# KiCad board GanJing 65 rev 2 solder-rounded.kicad_pcb (continued)
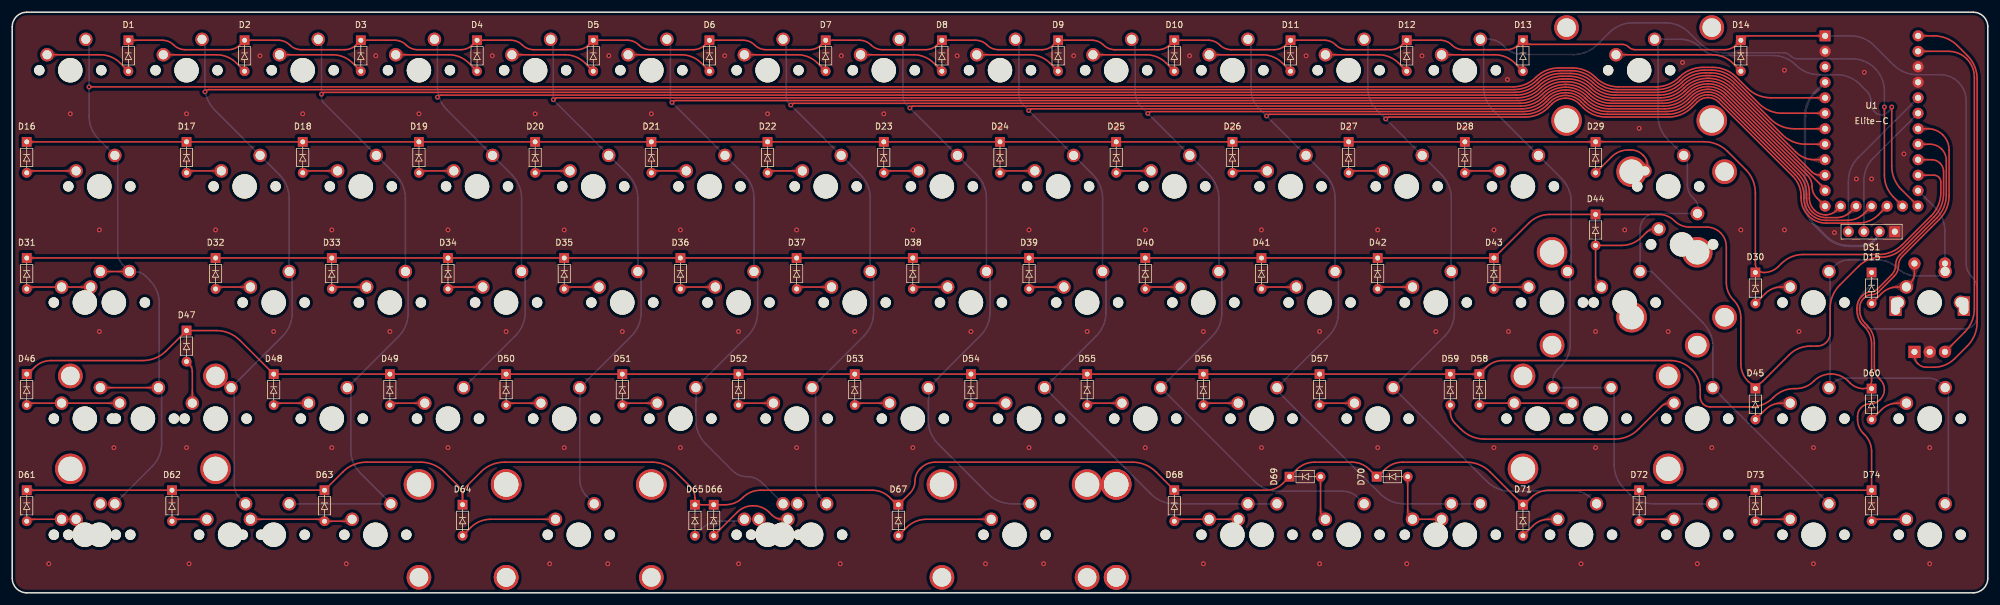
[diagram p0: board, top side]
## Copper pours and planes (outline as drawn; the poured copper is in the pictures) (continued)
col_14 on Bottom: 269.06,52.59 268.89,52.74 268.73,52.86 268.59,52.94 268.45,53.01 268.32,53.06 268.19,53.11 268.06,53.17 267.93,53.24 267.79,53.35 267.64,53.48 266.31,52.71 267.34,51.72 267.53,51.83 267.7,51.97 267.86,52.12 268,52.27 268.14,52.41 268.28,52.52 268.41,52.59 268.56,52.6 268.71,52.54 268.88,52.41
col_14 on Bottom: 274.01,62.1 274.27,62.09 274.49,62.05 274.67,61.99 274.83,61.9 274.96,61.8 275.09,61.69 275.23,61.58 275.38,61.46 275.55,61.34 275.77,61.22 276.82,62.23 275.77,63.24 275.55,63.12 275.38,63 275.23,62.88 275.09,62.77 274.96,62.66 274.83,62.56 274.67,62.47 274.49,62.41 274.27,62.37 274.01,62.35
col_14 on Bottom: 275.81,64.3 275.93,64.13 275.99,63.96 275.99,63.82 275.94,63.67 275.86,63.54 275.76,63.4 275.63,63.26 275.5,63.11 275.38,62.94 275.27,62.76 276.24,61.67 277.12,62.95 276.97,63.13 276.85,63.29 276.76,63.43 276.67,63.55 276.5,63.81 276.41,63.94 276.3,64.09 276.16,64.27 276,64.47
col_14 on Bottom: 271.43,90.93 271.17,90.94 270.96,90.98 270.78,91.05 270.63,91.13 270.5,91.22 270.38,91.33 270.25,91.44 270.1,91.56 269.93,91.68 269.72,91.8 268.69,90.81 269.72,89.81 269.93,89.93 270.1,90.05 270.25,90.17 270.38,90.28 270.5,90.39 270.63,90.48 270.78,90.56 270.96,90.63 271.17,90.67 271.43,90.68
col_14 on Bottom: 274.72,69.73 274.74,70.01 274.76,70.25 274.81,70.45 274.86,70.62 274.91,70.78 274.97,70.94 275.02,71.11 275.06,71.29 275.09,71.5 275.1,71.75 273.7,72.22 273.43,70.82 273.6,70.72 273.76,70.64 273.91,70.57 274.04,70.5 274.17,70.42 274.27,70.34 274.36,70.23 274.42,70.1 274.46,69.93 274.47,69.73
col_15 on Bottom: 315.12,34.91 315.34,34.81 315.49,34.69 315.59,34.56 315.65,34.42 315.69,34.26 315.7,34.09 315.72,33.91 315.73,33.71 315.77,33.51 315.83,33.29 317.25,33.27 317.22,34.69 316.98,34.77 316.78,34.82 316.59,34.85 316.42,34.88 316.26,34.89 316.09,34.91 315.91,34.94 315.71,34.98 315.48,35.05 315.21,35.14
col_15 on Bottom: 316.7,56.01 316.69,55.78 316.65,55.59 316.6,55.43 316.52,55.29 316.44,55.17 316.34,55.06 316.24,54.94 316.13,54.8 316.03,54.65 315.92,54.46 316.82,53.53 317.72,54.46 317.62,54.65 317.52,54.8 317.41,54.94 317.31,55.06 317.21,55.17 317.13,55.29 317.05,55.43 317,55.59 316.96,55.78 316.95,56.01
col_15 on Bottom: 314.87,51.88 315.14,51.87 315.38,51.85 315.57,51.82 315.74,51.79 315.9,51.75 316.06,51.71 316.22,51.68 316.4,51.65 316.61,51.63 316.85,51.62 317.33,53 315.93,53.32 315.83,53.15 315.75,52.97 315.68,52.8 315.62,52.64 315.56,52.5 315.48,52.38 315.38,52.27 315.25,52.19 315.08,52.14 314.87,52.12
col_15 on Bottom: 313.77,64.79 313.63,64.95 313.53,65.09 313.47,65.23 313.42,65.36 313.4,65.49 313.39,65.62 313.37,65.76 313.36,65.92 313.32,66.08 313.27,66.27 312.1,66.29 312.12,65.12 312.31,65.07 312.47,65.03 312.63,65.02 312.77,65 312.9,64.99 313.03,64.97 313.16,64.92 313.3,64.86 313.44,64.76 313.6,64.62
col_15 on Bottom: 298.12,50.52 298.14,50.79 298.18,51.02 298.24,51.21 298.32,51.37 298.4,51.52 298.5,51.66 298.6,51.8 298.7,51.97 298.79,52.16 298.87,52.4 297.72,53.25 296.92,52.07 297.06,51.89 297.2,51.74 297.33,51.61 297.46,51.5 297.57,51.39 297.67,51.27 297.76,51.13 297.82,50.97 297.86,50.77 297.88,50.52
col_15 on Bottom: 313.77,64.79 313.63,64.95 313.53,65.09 313.47,65.23 313.42,65.36 313.4,65.49 313.39,65.62 313.37,65.76 313.36,65.92 313.32,66.08 313.27,66.27 312.1,66.29 312.12,65.12 312.31,65.07 312.47,65.03 312.63,65.02 312.77,65 312.9,64.99 313.03,64.97 313.16,64.92 313.3,64.86 313.44,64.76 313.6,64.62
col_15 on Bottom: 297.88,35.84 297.86,35.59 297.82,35.39 297.76,35.23 297.67,35.09 297.57,34.97 297.46,34.86 297.33,34.75 297.2,34.62 297.06,34.47 296.92,34.29 297.72,33.11 298.87,33.96 298.79,34.2 298.7,34.39 298.6,34.56 298.5,34.7 298.4,34.84 298.32,34.99 298.24,35.15 298.18,35.34 298.14,35.57 298.12,35.84
col_15 on Bottom: 314.87,51.88 315.14,51.87 315.38,51.85 315.57,51.82 315.74,51.79 315.9,51.75 316.06,51.71 316.22,51.68 316.4,51.65 316.61,51.63 316.85,51.62 317.33,53 315.93,53.32 315.83,53.15 315.75,52.97 315.68,52.8 315.62,52.64 315.56,52.5 315.48,52.38 315.38,52.27 315.25,52.19 315.08,52.14 314.87,52.12
col_15 on Bottom: 299.47,35.14 299.2,35.05 298.97,34.98 298.77,34.94 298.59,34.91 298.42,34.89 298.26,34.88 298.09,34.85 297.9,34.82 297.7,34.77 297.46,34.69 297.43,33.27 298.85,33.29 298.91,33.51 298.95,33.71 298.96,33.91 298.98,34.09 298.99,34.26 299.03,34.42 299.09,34.56 299.19,34.69 299.34,34.81 299.56,34.91
col_15 on Bottom: 317.52,31.59 317.54,31.88 317.57,32.12 317.62,32.32 317.68,32.5 317.75,32.67 317.81,32.83 317.87,33 317.92,33.18 317.95,33.4 317.96,33.66 316.6,34.14 316.23,32.76 316.4,32.65 316.56,32.56 316.71,32.48 316.84,32.4 316.97,32.32 317.07,32.22 317.16,32.11 317.22,31.97 317.26,31.8 317.27,31.59
col_15 on Bottom: 317.27,16.67 317.26,16.46 317.22,16.29 317.16,16.15 317.07,16.04 316.97,15.94 316.84,15.86 316.71,15.78 316.56,15.7 316.4,15.61 316.23,15.5 316.6,14.12 317.96,14.6 317.95,14.86 317.92,15.08 317.87,15.26 317.81,15.43 317.75,15.59 317.68,15.76 317.62,15.94 317.57,16.14 317.54,16.38 317.52,16.67
col_15 on Bottom: 297.88,35.84 297.86,35.59 297.82,35.39 297.76,35.23 297.67,35.09 297.57,34.97 297.46,34.86 297.33,34.75 297.2,34.62 297.06,34.47 296.92,34.29 297.72,33.11 298.87,33.96 298.79,34.2 298.7,34.39 298.6,34.56 298.5,34.7 298.4,34.84 298.32,34.99 298.24,35.15 298.18,35.34 298.14,35.57 298.12,35.84
col_15 on Bottom: 299.6,54.4 299.32,54.27 299.08,54.17 298.87,54.1 298.68,54.05 298.5,54.01 298.32,53.98 298.14,53.94 297.94,53.89 297.72,53.83 297.45,53.74 297.43,52.32 298.85,52.34 298.92,52.59 298.97,52.82 299,53.03 299.02,53.23 299.05,53.41 299.1,53.58 299.18,53.74 299.3,53.9 299.47,54.04 299.71,54.17
col_15 on Bottom: 299.6,54.4 299.32,54.27 299.08,54.17 298.87,54.1 298.68,54.05 298.5,54.01 298.32,53.98 298.14,53.94 297.94,53.89 297.72,53.83 297.45,53.74 297.43,52.32 298.85,52.34 298.92,52.59 298.97,52.82 299,53.03 299.02,53.23 299.05,53.41 299.1,53.58 299.18,53.74 299.3,53.9 299.47,54.04 299.71,54.17
col_15 on Bottom: 317.52,31.59 317.54,31.88 317.57,32.12 317.62,32.32 317.68,32.5 317.75,32.67 317.81,32.83 317.87,33 317.92,33.18 317.95,33.4 317.96,33.66 316.6,34.14 316.23,32.76 316.4,32.65 316.56,32.56 316.71,32.48 316.84,32.4 316.97,32.32 317.07,32.22 317.16,32.11 317.22,31.97 317.26,31.8 317.27,31.59
col_15 on Bottom: 299.47,35.14 299.2,35.05 298.97,34.98 298.77,34.94 298.59,34.91 298.42,34.89 298.26,34.88 298.09,34.85 297.9,34.82 297.7,34.77 297.46,34.69 297.43,33.27 298.85,33.29 298.91,33.51 298.95,33.71 298.96,33.91 298.98,34.09 298.99,34.26 299.03,34.42 299.09,34.56 299.19,34.69 299.34,34.81 299.56,34.91
col_15 on Bottom: 315.12,34.91 315.34,34.81 315.49,34.69 315.59,34.56 315.65,34.42 315.69,34.26 315.7,34.09 315.72,33.91 315.73,33.71 315.77,33.51 315.83,33.29 317.25,33.27 317.22,34.69 316.98,34.77 316.78,34.82 316.59,34.85 316.42,34.88 316.26,34.89 316.09,34.91 315.91,34.94 315.71,34.98 315.48,35.05 315.21,35.14
col_15 on Bottom: 316.7,56.01 316.69,55.78 316.65,55.59 316.6,55.43 316.52,55.29 316.44,55.17 316.34,55.06 316.24,54.94 316.13,54.8 316.03,54.65 315.92,54.46 316.82,53.53 317.72,54.46 317.62,54.65 317.52,54.8 317.41,54.94 317.31,55.06 317.21,55.17 317.13,55.29 317.05,55.43 317,55.59 316.96,55.78 316.95,56.01
col_15 on Bottom: 317.27,16.67 317.26,16.46 317.22,16.29 317.16,16.15 317.07,16.04 316.97,15.94 316.84,15.86 316.71,15.78 316.56,15.7 316.4,15.61 316.23,15.5 316.6,14.12 317.96,14.6 317.95,14.86 317.92,15.08 317.87,15.26 317.81,15.43 317.75,15.59 317.68,15.76 317.62,15.94 317.57,16.14 317.54,16.38 317.52,16.67
col_15 on Bottom: 298.12,50.52 298.14,50.79 298.18,51.02 298.24,51.21 298.32,51.37 298.4,51.52 298.5,51.66 298.6,51.8 298.7,51.97 298.79,52.16 298.87,52.4 297.72,53.25 296.92,52.07 297.06,51.89 297.2,51.74 297.33,51.61 297.46,51.5 297.57,51.39 297.67,51.27 297.76,51.13 297.82,50.97 297.86,50.77 297.88,50.52
rotory_1 on Top: 312.42,37.73 312.29,37.89 312.23,38.03 312.22,38.16 312.25,38.29 312.31,38.42 312.39,38.55 312.49,38.69 312.59,38.84 312.68,39 312.76,39.18 311.78,40.02 311.12,38.82 311.26,38.67 311.38,38.54 311.48,38.43 311.57,38.32 311.74,38.11 311.84,37.99 311.95,37.87 312.08,37.72 312.24,37.56
rotory_1 on Top: 314.21,91.5 314,91.51 313.83,91.54 313.68,91.59 313.56,91.65 313.45,91.73 313.35,91.81 313.24,91.9 313.12,91.99 312.98,92.09 312.81,92.18 311.97,91.37 312.81,90.56 312.98,90.65 313.12,90.75 313.24,90.84 313.35,90.93 313.45,91.01 313.56,91.09 313.68,91.15 313.83,91.2 314,91.23 314.21,91.25
rotory_1 on Top: 314.21,91.5 314,91.51 313.83,91.54 313.68,91.59 313.56,91.65 313.45,91.73 313.35,91.81 313.24,91.9 313.12,91.99 312.98,92.09 312.81,92.18 311.97,91.37 312.81,90.56 312.98,90.65 313.12,90.75 313.24,90.84 313.35,90.93 313.45,91.01 313.56,91.09 313.68,91.15 313.83,91.2 314,91.23 314.21,91.25
rotory_1 on Top: 312.42,37.73 312.29,37.89 312.23,38.03 312.22,38.16 312.25,38.29 312.31,38.42 312.39,38.55 312.49,38.69 312.59,38.84 312.68,39 312.76,39.18 311.78,40.02 311.12,38.82 311.26,38.67 311.38,38.54 311.48,38.43 311.57,38.32 311.74,38.11 311.84,37.99 311.95,37.87 312.08,37.72 312.24,37.56
rotory_2 on Top: 318.14,41.02 317.97,40.86 317.81,40.75 317.65,40.68 317.51,40.63 317.36,40.61 317.21,40.6 317.06,40.58 316.89,40.56 316.7,40.53 316.5,40.47 316.47,39.17 317.77,39.2 317.83,39.4 317.86,39.59 317.88,39.76 317.9,39.91 317.91,40.06 317.93,40.21 317.98,40.35 318.05,40.51 318.16,40.67 318.32,40.84
rotory_2 on Top: 314.21,88.95 314,88.97 313.83,89 313.68,89.05 313.56,89.11 313.45,89.19 313.35,89.27 313.24,89.36 313.12,89.45 312.98,89.55 312.81,89.64 311.97,88.83 312.81,88.02 312.98,88.11 313.12,88.21 313.24,88.3 313.35,88.39 313.45,88.47 313.56,88.55 313.68,88.61 313.83,88.66 314,88.69 314.21,88.7
rotory_2 on Top: 314.21,88.95 314,88.97 313.83,89 313.68,89.05 313.56,89.11 313.45,89.19 313.35,89.27 313.24,89.36 313.12,89.45 312.98,89.55 312.81,89.64 311.97,88.83 312.81,88.02 312.98,88.11 313.12,88.21 313.24,88.3 313.35,88.39 313.45,88.47 313.56,88.55 313.68,88.61 313.83,88.66 314,88.69 314.21,88.7
rotory_2 on Top: 318.14,41.02 317.97,40.86 317.81,40.75 317.65,40.68 317.51,40.63 317.36,40.61 317.21,40.6 317.06,40.58 316.89,40.56 316.7,40.53 316.5,40.47 316.47,39.17 317.77,39.2 317.83,39.4 317.86,39.59 317.88,39.76 317.9,39.91 317.91,40.06 317.93,40.21 317.98,40.35 318.05,40.51 318.16,40.67 318.32,40.84
row_1 on Top: 284.73,91.5 284.55,91.49 284.39,91.49 284.25,91.48 284.13,91.48 283.8,91.46 283.68,91.45 283.53,91.45 283.37,91.45 283.05,90.4 284.09,90.3 284.14,90.43 284.19,90.57 284.22,90.7 284.25,90.83 284.28,90.94 284.32,91.04 284.38,91.13 284.47,91.19 284.58,91.23 284.73,91.25
row_1 on Top: 246.29,89.29 246.5,89.4 246.69,89.48 246.84,89.55 246.99,89.6 247.12,89.65 247.25,89.69 247.54,89.77 247.71,89.82 247.91,89.89 247.93,90.93 246.89,90.91 246.84,90.72 246.8,90.55 246.74,90.24 246.71,90.1 246.66,89.97 246.6,89.85 246.5,89.73 246.36,89.62 246.18,89.51
row_1 on Top: 282.01,89.29 282.22,89.4 282.4,89.48 282.56,89.55 282.71,89.6 282.84,89.65 282.97,89.69 283.26,89.77 283.43,89.82 283.63,89.89 283.65,90.93 282.61,90.91 282.56,90.72 282.52,90.55 282.46,90.24 282.43,90.1 282.38,89.97 282.31,89.85 282.22,89.73 282.08,89.62 281.9,89.51
row_1 on Top: 249.04,90.09 248.89,90.11 248.77,90.15 248.68,90.21 248.62,90.29 248.57,90.39 248.53,90.5 248.46,90.75 248.42,90.88 248.36,91.01 247.33,90.89 247.65,89.85 249.04,89.84
row_1 on Top: 284.73,91.5 284.55,91.49 284.39,91.49 284.25,91.48 284.13,91.48 283.8,91.46 283.68,91.45 283.53,91.45 283.37,91.45 283.05,90.4 284.09,90.3 284.14,90.43 284.19,90.57 284.22,90.7 284.25,90.83 284.28,90.94 284.32,91.04 284.38,91.13 284.47,91.19 284.58,91.23 284.73,91.25
row_1 on Top: 282.01,89.29 282.22,89.4 282.4,89.48 282.56,89.55 282.71,89.6 282.84,89.65 282.97,89.69 283.26,89.77 283.43,89.82 283.63,89.89 283.65,90.93 282.61,90.91 282.56,90.72 282.52,90.55 282.46,90.24 282.43,90.1 282.38,89.97 282.31,89.85 282.22,89.73 282.08,89.62 281.9,89.51
row_1 on Top: 20.64,90.77 20.45,90.78 20.3,90.81 20.17,90.85 20.06,90.9 19.97,90.97 19.87,91.04 19.78,91.12 19.67,91.2 19.55,91.29 19.4,91.37 18.65,90.65 19.4,89.93 19.55,90.01 19.67,90.09 19.78,90.17 19.87,90.25 19.97,90.32 20.06,90.39 20.17,90.44 20.3,90.48 20.45,90.51 20.64,90.52
row_1 on Top: 295.39,91.25 295.6,91.23 295.77,91.2 295.92,91.15 296.04,91.09 296.15,91.01 296.25,90.93 296.36,90.84 296.48,90.75 296.62,90.65 296.79,90.56 297.63,91.37 296.79,92.18 296.62,92.09 296.48,91.99 296.36,91.9 296.25,91.81 296.15,91.73 296.04,91.65 295.92,91.59 295.77,91.54 295.6,91.51 295.39,91.5
row_1 on Top: 246.29,89.29 246.5,89.4 246.69,89.48 246.84,89.55 246.99,89.6 247.12,89.65 247.25,89.69 247.54,89.77 247.71,89.82 247.91,89.89 247.93,90.93 246.89,90.91 246.84,90.72 246.8,90.55 246.74,90.24 246.71,90.1 246.66,89.97 246.6,89.85 246.5,89.73 246.36,89.62 246.18,89.51
row_1 on Top: 20.64,90.77 20.45,90.78 20.3,90.81 20.17,90.85 20.06,90.9 19.97,90.97 19.87,91.04 19.78,91.12 19.67,91.2 19.55,91.29 19.4,91.37 18.65,90.65 19.4,89.93 19.55,90.01 19.67,90.09 19.78,90.17 19.87,90.25 19.97,90.32 20.06,90.39 20.17,90.44 20.3,90.48 20.45,90.51 20.64,90.52
row_1 on Top: 295.39,91.25 295.6,91.23 295.77,91.2 295.92,91.15 296.04,91.09 296.15,91.01 296.25,90.93 296.36,90.84 296.48,90.75 296.62,90.65 296.79,90.56 297.63,91.37 296.79,92.18 296.62,92.09 296.48,91.99 296.36,91.9 296.25,91.81 296.15,91.73 296.04,91.65 295.92,91.59 295.77,91.54 295.6,91.51 295.39,91.5
row_1 on Top: 249.04,90.09 248.89,90.11 248.77,90.15 248.68,90.21 248.62,90.29 248.57,90.39 248.53,90.5 248.46,90.75 248.42,90.88 248.36,91.01 247.33,90.89 247.65,89.85 249.04,89.84
row_1 on Bottom: 304.78,50.75 304.86,50.96 304.93,51.13 305,51.28 305.07,51.4 305.14,51.52 305.27,51.74 305.35,51.87 305.43,52.02 305.52,52.2 304.8,52.95 304.08,52.2 304.17,52.04 304.26,51.9 304.35,51.78 304.43,51.66 304.51,51.55 304.57,51.44 304.61,51.32 304.62,51.18 304.6,51.02 304.55,50.83
row_1 on Bottom: 298.97,91.5 298.76,91.51 298.59,91.54 298.44,91.59 298.32,91.65 298.21,91.73 298.11,91.81 298,91.9 297.88,91.99 297.74,92.09 297.57,92.18 296.73,91.37 297.57,90.56 297.74,90.65 297.88,90.75 298,90.84 298.11,90.93 298.21,91.01 298.32,91.09 298.44,91.15 298.59,91.2 298.76,91.23 298.97,91.25
row_1 on Bottom: 298.97,91.5 298.76,91.51 298.59,91.54 298.44,91.59 298.32,91.65 298.21,91.73 298.11,91.81 298,91.9 297.88,91.99 297.74,92.09 297.57,92.18 296.73,91.37 297.57,90.56 297.74,90.65 297.88,90.75 298,90.84 298.11,90.93 298.21,91.01 298.32,91.09 298.44,91.15 298.59,91.2 298.76,91.23 298.97,91.25
row_1 on Bottom: 304.78,50.75 304.86,50.96 304.93,51.13 305,51.28 305.07,51.4 305.14,51.52 305.27,51.74 305.35,51.87 305.43,52.02 305.52,52.2 304.8,52.95 304.08,52.2 304.17,52.04 304.26,51.9 304.35,51.78 304.43,51.66 304.51,51.55 304.57,51.44 304.61,51.32 304.62,51.18 304.6,51.02 304.55,50.83
row_2 on Top: 3.97,74.1 3.78,74.11 3.63,74.14 3.5,74.18 3.39,74.24 3.3,74.3 3.2,74.37 3.11,74.45 3,74.53 2.88,74.62 2.73,74.7 1.98,73.98 2.73,73.26 2.88,73.34 3,73.42 3.11,73.5 3.2,73.58 3.3,73.65 3.39,73.72 3.5,73.77 3.63,73.82 3.78,73.84 3.97,73.85
row_2 on Top: 314.21,68.64 314,68.65 313.83,68.68 313.68,68.73 313.56,68.79 313.45,68.87 313.35,68.95 313.24,69.04 313.12,69.13 312.98,69.23 312.81,69.32 311.97,68.51 312.81,67.7 312.98,67.79 313.12,67.89 313.24,67.98 313.35,68.07 313.45,68.15 313.56,68.23 313.68,68.29 313.83,68.34 314,68.37 314.21,68.39
row_2 on Top: 314.21,68.64 314,68.65 313.83,68.68 313.68,68.73 313.56,68.79 313.45,68.87 313.35,68.95 313.24,69.04 313.12,69.13 312.98,69.23 312.81,69.32 311.97,68.51 312.81,67.7 312.98,67.79 313.12,67.89 313.24,67.98 313.35,68.07 313.45,68.15 313.56,68.23 313.68,68.29 313.83,68.34 314,68.37 314.21,68.39
row_2 on Top: 257.97,73.85 258.15,73.84 258.31,73.82 258.43,73.77 258.54,73.72 258.64,73.65 258.73,73.58 258.83,73.5 258.93,73.42 259.06,73.34 259.21,73.26 259.96,73.98 259.21,74.7 259.06,74.62 258.93,74.53 258.83,74.45 258.73,74.37 258.64,74.3 258.54,74.24 258.43,74.18 258.31,74.14 258.15,74.11 257.97,74.1
row_2 on Top: 257.97,73.85 258.15,73.84 258.31,73.82 258.43,73.77 258.54,73.72 258.64,73.65 258.73,73.58 258.83,73.5 258.93,73.42 259.06,73.34 259.21,73.26 259.96,73.98 259.21,74.7 259.06,74.62 258.93,74.53 258.83,74.45 258.73,74.37 258.64,74.3 258.54,74.24 258.43,74.18 258.31,74.14 258.15,74.11 257.97,74.1
row_2 on Top: 261.16,74.12 260.97,74.13 260.81,74.16 260.68,74.2 260.57,74.26 260.47,74.32 260.37,74.39 260.28,74.47 260.17,74.55 260.04,74.63 259.88,74.71 259.16,73.97 259.93,73.27 260.07,73.35 260.19,73.44 260.3,73.52 260.39,73.6 260.49,73.68 260.58,73.74 260.69,73.8 260.82,73.84 260.97,73.87 261.16,73.88
row_2 on Top: 261.16,74.12 260.97,74.13 260.81,74.16 260.68,74.2 260.57,74.26 260.47,74.32 260.37,74.39 260.28,74.47 260.17,74.55 260.04,74.63 259.88,74.71 259.16,73.97 259.93,73.27 260.07,73.35 260.19,73.44 260.3,73.52 260.39,73.6 260.49,73.68 260.58,73.74 260.69,73.8 260.82,73.84 260.97,73.87 261.16,73.88
row_2 on Top: 3.97,74.1 3.78,74.11 3.63,74.14 3.5,74.18 3.39,74.24 3.3,74.3 3.2,74.37 3.11,74.45 3,74.53 2.88,74.62 2.73,74.7 1.98,73.98 2.73,73.26 2.88,73.34 3,73.42 3.11,73.5 3.2,73.58 3.3,73.65 3.39,73.72 3.5,73.77 3.63,73.82 3.78,73.84 3.97,73.85
row_3 on Top: 314.21,71.17 314,71.19 313.83,71.22 313.68,71.27 313.56,71.33 313.45,71.41 313.35,71.49 313.24,71.58 313.12,71.67 312.98,71.77 312.81,71.86 311.97,71.05 312.81,70.24 312.98,70.33 313.12,70.43 313.24,70.52 313.35,70.61 313.45,70.69 313.56,70.77 313.68,70.83 313.83,70.88 314,70.91 314.21,70.92
row_3 on Top: 314.21,71.17 314,71.19 313.83,71.22 313.68,71.27 313.56,71.33 313.45,71.41 313.35,71.49 313.24,71.58 313.12,71.67 312.98,71.77 312.81,71.86 311.97,71.05 312.81,70.24 312.98,70.33 313.12,70.43 313.24,70.52 313.35,70.61 313.45,70.69 313.56,70.77 313.68,70.83 313.83,70.88 314,70.91 314.21,70.92
row_3 on Top: 3.97,55.05 3.78,55.06 3.63,55.09 3.5,55.13 3.39,55.19 3.3,55.25 3.2,55.32 3.11,55.4 3,55.48 2.88,55.57 2.73,55.65 1.98,54.93 2.73,54.21 2.88,54.29 3,54.37 3.11,54.45 3.2,54.53 3.3,54.6 3.39,54.67 3.5,54.72 3.63,54.77 3.78,54.79 3.97,54.8
row_3 on Top: 3.97,55.05 3.78,55.06 3.63,55.09 3.5,55.13 3.39,55.19 3.3,55.25 3.2,55.32 3.11,55.4 3,55.48 2.88,55.57 2.73,55.65 1.98,54.93 2.73,54.21 2.88,54.29 3,54.37 3.11,54.45 3.2,54.53 3.3,54.6 3.39,54.67 3.5,54.72 3.63,54.77 3.78,54.79 3.97,54.8
row_4 on Top: 238.9,35.75 239.09,35.74 239.24,35.72 239.37,35.67 239.48,35.62 239.58,35.56 239.68,35.48 239.77,35.4 239.88,35.32 240.01,35.24 240.16,35.16 240.91,35.88 240.16,36.6 240.01,36.52 239.88,36.43 239.77,36.35 239.68,36.27 239.58,36.2 239.48,36.13 239.37,36.08 239.24,36.04 239.09,36.01 238.9,36
row_4 on Top: 242.17,37.6 241.92,37.44 241.71,37.3 241.53,37.19 241.36,37.09 241.2,37.01 241.05,36.94 240.88,36.87 240.7,36.8 240.49,36.72 240.24,36.63 240.22,35.59 241.26,35.61 241.34,35.86 241.4,36.07 241.46,36.27 241.51,36.45 241.57,36.61 241.65,36.77 241.76,36.92 241.89,37.07 242.08,37.22 242.31,37.39
row_4 on Top: 242.17,37.6 241.92,37.44 241.71,37.3 241.53,37.19 241.36,37.09 241.2,37.01 241.05,36.94 240.88,36.87 240.7,36.8 240.49,36.72 240.24,36.63 240.22,35.59 241.26,35.61 241.34,35.86 241.4,36.07 241.46,36.27 241.51,36.45 241.57,36.61 241.65,36.77 241.76,36.92 241.89,37.07 242.08,37.22 242.31,37.39
row_4 on Top: 3.5,37.01 3.36,36.89 3.24,36.81 3.13,36.75 3.01,36.72 2.9,36.7 2.79,36.7 2.67,36.7 2.53,36.7 2.39,36.69 2.23,36.66 2.06,35.64 3.09,35.51 3.17,35.67 3.22,35.82 3.25,35.95 3.3,36.19 3.33,36.31 3.38,36.43 3.45,36.56 3.54,36.69 3.67,36.84
row_4 on Top: 314.21,73.72 314,73.73 313.83,73.76 313.68,73.81 313.56,73.87 313.45,73.95 313.35,74.03 313.24,74.12 313.12,74.21 312.98,74.31 312.81,74.4 311.97,73.59 312.81,72.78 312.98,72.87 313.12,72.97 313.24,73.06 313.35,73.15 313.45,73.23 313.56,73.31 313.68,73.37 313.83,73.42 314,73.45 314.21,73.47
row_4 on Top: 238.9,35.75 239.09,35.74 239.24,35.72 239.37,35.67 239.48,35.62 239.58,35.56 239.68,35.48 239.77,35.4 239.88,35.32 240.01,35.24 240.16,35.16 240.91,35.88 240.16,36.6 240.01,36.52 239.88,36.43 239.77,36.35 239.68,36.27 239.58,36.2 239.48,36.13 239.37,36.08 239.24,36.04 239.09,36.01 238.9,36
row_4 on Top: 314.21,73.72 314,73.73 313.83,73.76 313.68,73.81 313.56,73.87 313.45,73.95 313.35,74.03 313.24,74.12 313.12,74.21 312.98,74.31 312.81,74.4 311.97,73.59 312.81,72.78 312.98,72.87 313.12,72.97 313.24,73.06 313.35,73.15 313.45,73.23 313.56,73.31 313.68,73.37 313.83,73.42 314,73.45 314.21,73.47
row_4 on Top: 3.5,37.01 3.36,36.89 3.24,36.81 3.13,36.75 3.01,36.72 2.9,36.7 2.79,36.7 2.67,36.7 2.53,36.7 2.39,36.69 2.23,36.66 2.06,35.64 3.09,35.51 3.17,35.67 3.22,35.82 3.25,35.95 3.3,36.19 3.33,36.31 3.38,36.43 3.45,36.56 3.54,36.69 3.67,36.84
row_5 on Top: 248.77,15.58 248.63,15.46 248.51,15.38 248.39,15.32 248.28,15.29 248.17,15.27 248.06,15.27 247.93,15.27 247.8,15.27 247.66,15.26 247.5,15.23 247.33,14.21 248.36,14.08 248.43,14.24 248.48,14.39 248.52,14.52 248.57,14.76 248.6,14.88 248.65,15 248.71,15.12 248.81,15.26 248.94,15.4
row_5 on Top: 146.29,15.66 146.15,15.53 146.03,15.44 145.91,15.38 145.79,15.35 145.68,15.32 145.56,15.31 145.43,15.3 145.3,15.28 145.16,15.25 144.99,15.2 144.97,14.16 146.01,14.18 146.06,14.35 146.09,14.49 146.11,14.62 146.12,14.75 146.13,14.87 146.16,14.98 146.19,15.1 146.25,15.22 146.34,15.34 146.47,15.48
row_5 on Top: 73.69,15.63 73.69,15.54 73.67,15.47 73.65,15.4 73.62,15.35 73.59,15.29 73.55,15.25 73.51,15.21 73.47,15.18 73.44,15.15 73.4,15.13 73.82,14.05 74.23,15.13 74.2,15.15 74.16,15.18 74.12,15.21 74.09,15.25 74.05,15.29 74.02,15.35 73.99,15.4 73.96,15.47 73.95,15.54 73.94,15.63
row_5 on Top: 222.47,20.09 222.59,19.95 222.68,19.82 222.74,19.7 222.78,19.58 222.8,19.47 222.82,19.35 222.83,19.23 222.85,19.1 222.88,18.95 222.92,18.79 223.96,18.77 223.94,19.81 223.78,19.85 223.63,19.88 223.5,19.9 223.38,19.91 223.26,19.93 223.15,19.95 223.03,19.99 222.91,20.05 222.78,20.14 222.64,20.26
row_5 on Top: 143.94,15.38 144.08,15.23 144.17,15.09 144.24,14.97 144.29,14.85 144.33,14.73 144.38,14.48 144.42,14.35 144.48,14.21 144.56,14.05 145.59,14.22 145.38,15.24 145.21,15.25 145.07,15.26 144.94,15.26 144.82,15.25 144.71,15.26 144.6,15.27 144.48,15.3 144.37,15.35 144.25,15.43 144.12,15.55
row_5 on Top: 246.44,15.48 246.56,15.34 246.65,15.22 246.71,15.1 246.75,14.98 246.77,14.87 246.79,14.75 246.8,14.62 246.82,14.49 246.85,14.35 246.89,14.18 247.93,14.16 247.91,15.2 247.75,15.25 247.6,15.28 247.47,15.3 247.35,15.31 247.23,15.32 247.12,15.35 247,15.38 246.88,15.44 246.75,15.53 246.61,15.66
row_5 on Top: 246.44,15.48 246.56,15.34 246.65,15.22 246.71,15.1 246.75,14.98 246.77,14.87 246.79,14.75 246.8,14.62 246.82,14.49 246.85,14.35 246.89,14.18 247.93,14.16 247.91,15.2 247.75,15.25 247.6,15.28 247.47,15.3 247.35,15.31 247.23,15.32 247.12,15.35 247,15.38 246.88,15.44 246.75,15.53 246.61,15.66
row_5 on Top: 248.77,15.58 248.63,15.46 248.51,15.38 248.39,15.32 248.28,15.29 248.17,15.27 248.06,15.27 247.93,15.27 247.8,15.27 247.66,15.26 247.5,15.23 247.33,14.21 248.36,14.08 248.43,14.24 248.48,14.39 248.52,14.52 248.57,14.76 248.6,14.88 248.65,15 248.71,15.12 248.81,15.26 248.94,15.4
row_5 on Top: 314.96,76.13 314.65,76.22 314.4,76.29 314.18,76.35 313.99,76.42 313.81,76.48 313.64,76.55 313.47,76.63 313.28,76.72 313.06,76.82 312.81,76.94 311.97,76.13 312.81,75.32 313.05,75.44 313.26,75.57 313.44,75.68 313.61,75.78 313.78,75.87 313.96,75.93 314.15,75.97 314.36,75.98 314.6,75.96 314.89,75.89
row_5 on Top: 222.47,20.09 222.59,19.95 222.68,19.82 222.74,19.7 222.78,19.58 222.8,19.47 222.82,19.35 222.83,19.23 222.85,19.1 222.88,18.95 222.92,18.79 223.96,18.77 223.94,19.81 223.78,19.85 223.63,19.88 223.5,19.9 223.38,19.91 223.26,19.93 223.15,19.95 223.03,19.99 222.91,20.05 222.78,20.14 222.64,20.26
row_5 on Top: 314.96,76.13 314.65,76.22 314.4,76.29 314.18,76.35 313.99,76.42 313.81,76.48 313.64,76.55 313.47,76.63 313.28,76.72 313.06,76.82 312.81,76.94 311.97,76.13 312.81,75.32 313.05,75.44 313.26,75.57 313.44,75.68 313.61,75.78 313.78,75.87 313.96,75.93 314.15,75.97 314.36,75.98 314.6,75.96 314.89,75.89